# Altium PCB PCB.PcbDoc (part 2 of 2)
Units mil, origin at the board's own origin, x right, y up, seen from the top; angles counter-clockwise.
Board outline 3420 x 2445 mil, 2 copper layers (Top Layer, Bottom Layer); 53 components, 88 nets, 358 pads, 317 vias.
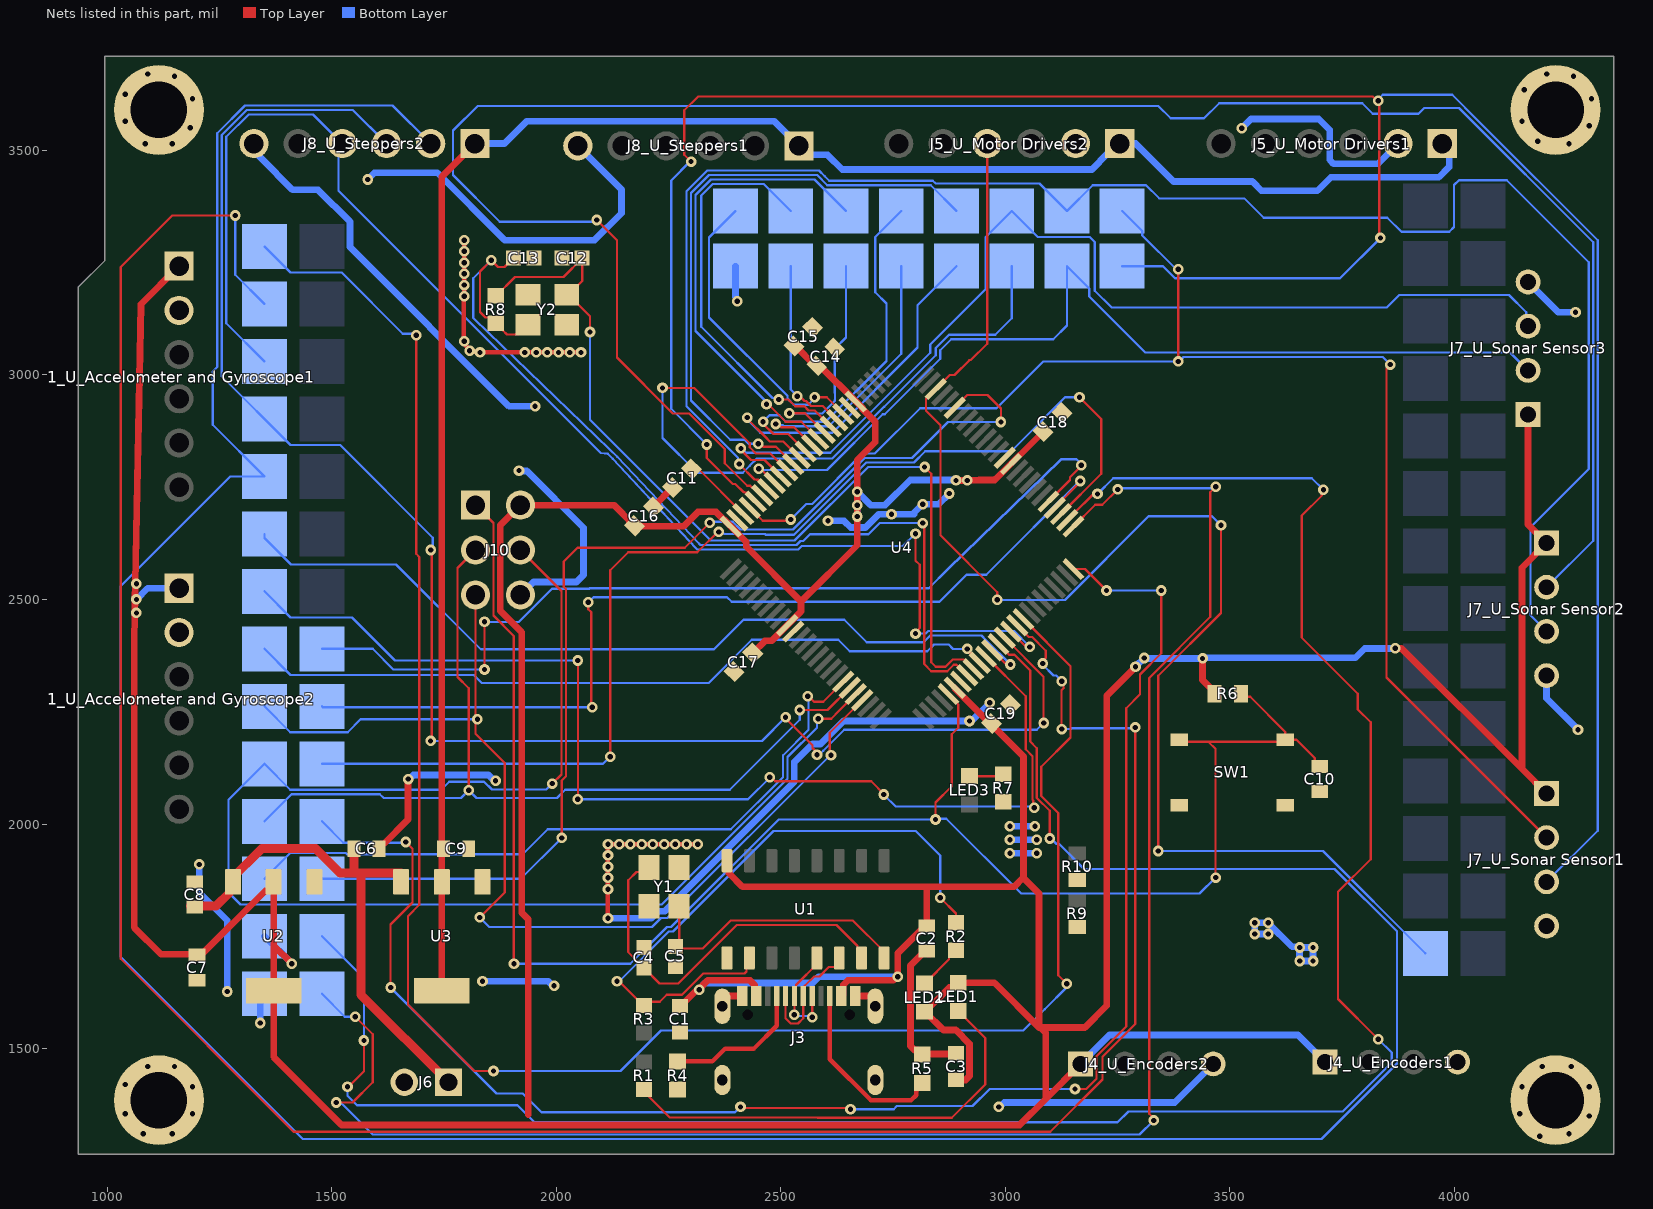
[diagram p2: the nets of this part, all layers, seen from the top]

## Via types
v1: diameter 23.62, hole 11.81, Top Layer to Bottom Layer, tented both sides, 317 vias

## Nets (pads, with @x,y where several pads share a name; then routed paths per layer and width w, separated by ;. In a path a pad name is that pad's centre, name@x,y a point inside that pad or via, vN(x,y) a via of type N, cw(c..) or ccw(c..) an arc to the next point about the centre after c; other vN are vias at no path point) (continued)
35P: pad.2@1478,2390 U4.55 | length 2081.6
  Top Layer w5: v1(1840,2344) v1(1840,2450) ; U4.55@3095.71,2718 3143.7,2765.99 3143.7,2772 3168.97,2797.27 v1(3168.97,2798.97)
  Bottom Layer w5: pad.2@1478,2390 1591,2390 1637,2344 v1(1840,2344) ; v1(1840,2450) 1916.54,2450 1990.54,2524 2073.41,2524 2074.41,2525 2829.03,2525 2872,2567.97 3122.55,2810.59 3124,2812 3158,2812 3168.97,2801.03 v1(3168.97,2798.97)
36P: pad.2@1478,2262 U4.54 | length 2138.4
  Top Layer w5: v1(2071.35,2493.65) 2071.35,2478 2077.5,2471.84 2077.5,2262.5 v1(2080,2260) ; U4.54@3109.63,2704.08 3166.27,2760.72 v1(3166.27,2763.73)
  Bottom Layer w5: pad.2@1478,2262 1480,2260 v1(2080,2260) ; v1(2071.35,2493.65) 2082.69,2505 2380.16,2505 2390.34,2494.82 2853.35,2494.82 2913.35,2554.82 2957.36,2554.82 v1(3166.27,2763.73)
37P: pad.2@1478,2134 U4.53 | length 2590.5
  Top Layer w5: v1(2120,2150) 2120,2565 2160,2605 2314,2605 2359.39,2650.39 v1(2361.92,2650.39) ; U4.53@3123.55,2690.16 3213.36,2779.97 3213.36,2901.64 v1(3165,2950)
  Bottom Layer w5: pad.2@1478,2134 2104,2134 v1(2120,2150) ; v1(2361.92,2650.39) 2365.48,2646.83 2373.02,2646.83 2374.16,2645.69 2464.81,2645.69 2466.5,2644 2529.27,2644 2690.27,2805 2796.62,2805 2821.62,2830 3012.69,2830 3132.69,2950 v1(3165,2950)
38P: pad.2@1478,2006 U4.50 | length 3642.2
  Top Layer w5: v1(1631,1636) 1631,1776 1680,1825 1680,1945 v1(1665,1960) ; v1(2410,1370) 2412.5,1367.5 2652.5,1367.5 v1(2655,1365) ; U4.50@3151.39,2567.67 3177.33,2567.67 v1(3225,2520) ; v1(3155,1410) 3180,1410 3203,1433 3203,1483 3269,1549 3269,2258 3299.78,2288.78 3299.78,2333.06 3347,2380.28 v1(3347,2520)
  Bottom Layer w5: pad.2@1478,2006 1525.5,1958.5 1663.5,1958.5 v1(1665,1960) ; v1(1631,1636) 1867,1400 1925,1400 1967.05,1357.95 2397.95,1357.95 v1(2410,1370) ; v1(2655,1365) 2751.21,1365 2758.1,1371.9 2926.9,1371.9 2965,1410 v1(3155,1410) ; v1(3225,2520) v1(3347,2520)
39P: pad.2@1478,1878 U4.70 | length 2471.3
  Top Layer w5: v1(2012,1969) 2012,2096.86 2021.31,2106.17 2021.31,2522.83 2016.69,2527.45 2016.69,2584.69 2047,2615 2286.06,2615 v1(2341.68,2670.63) ; U4.70@2886.92,2926.8 2915.13,2955 2960,2955 2990,2925 v1(2990,2895) 2989.74,2895.26 v1@2989.74,2899.55
  Bottom Layer w5: pad.2@1478,1878 1921,1878 v1(2012,1969) ; v1(2341.68,2670.63) 2344.18,2673.12 2392.69,2673.12 2410.12,2655.69 2526.82,2655.69 2686.13,2815 2792,2815 2872,2895 v1(2990,2895)
40P: pad.2@1478,1750 U4.52 | length 4873.3
  Top Layer w5: v1(1535,1415) 1537,1415 1571.57,1449.57 v1(1571.57,1518) ; U4.52@3137.47,2676.25 3137.47,2677.47 3150,2690 3151.23,2690 3196.23,2735 v1(3205,2735) ; v1@3708,2743.93 3704.44,2740.36 3704.44,2731.17 3660,2686.73 3660,2415 3784.69,2290.31 3784.69,2255.19 3813.33,2226.55 3813.33,1921.64 3740.69,1849 3740.69,1610.31 v1(3830,1521)
  Bottom Layer w5: pad.2@1478,1750 1571.57,1656.43 v1(1571.57,1518) ; v1(1535,1415) 1535,1395 1556.37,1373.63 1913.71,1373.63 1951.65,1335.69 3249.51,1335.69 3273.82,1360 3750.86,1360 3860,1469.14 3860,1491 v1(3830,1521) ; v1(3205,2735) 3240,2770 3682.31,2770 v1(3708,2744.31)
41P: pad.2@1478,1622 U4.51 | length 4048.8
  Top Layer w5: v1(1510,1380) 1546,1380 1591,1425 1591,1532 v1(1552,1571) ; U4.51@3151.39,2662.33 3199.78,2710.71 3215.71,2710.71 v1(3250,2745) ; v1(3330,1340) 3330,1345.04 3320,1355.04 3320,2325 3456.28,2461.28 3456.28,2738.97 v1(3468,2750.69)
  Bottom Layer w5: pad.2@1478,1622 1529,1571 v1(1552,1571) ; v1(1510,1380) 1513.56,1376.44 1523.56,1376.44 1591.36,1308.64 3298.64,1308.64 v1(3330,1340) ; v1(3250,2745) 3252.84,2747.84 3465.16,2747.84 v1(3468,2750.69)
42P: pad.2@1350,3286 U4.42 | length 4443
  Top Layer w5: v1(1688.18,3088.3) 1688.18,2601.59 1695,2594.77 1695,1820 1670,1795 1670,1597 1817,1450 v1(1860,1450) ; U4.42@3040.04,2456.32 3145,2351.35 3145,2192.76 3080,2127.76 3080,2062.28 3117.81,2024.47 3117.81,1663.18 v1(3136.84,1644.15)
  Bottom Layer w5: pad.2@1350,3286 1408,3228 1522,3228 1658.14,3091.86 1684.61,3091.86 v1(1688.18,3088.3) ; v1(1860,1450) 2142.93,1450 2232.93,1540 3039.81,1540 3087.58,1587.77 ; 3087.58,1587.78 3136.84,1637.04 v1(3136.84,1644.15)
43P: pad.2@1350,3158 U4.41 | length 5729.2
  Top Layer w5: v1(1285,3355) 1145,3355 1030,3240 1030,1700 1415,1315 3100,1315 3216,1431 3216,1481.86 3289,1554.86 v1(3289,2215) ; U4.41@3026.12,2442.4 3052.17,2416.34 3059.51,2416.34 3090,2385.86 3090,2369.4 3082.89,2362.29 v1(3082.89,2357.25) ; v1(3125.69,2211.38) 3125,2212.07 3125,2298.07 3129.74,2302.8 3129.25,2303.29 3129.25,2314.55 v1(3125.69,2318.12)
  Bottom Layer w5: v1(1285,3355) 1285,3223 pad.2@1350,3158 ; v1(3082.89,2357.25) 3082.89,2354.65 3107.13,2330.41 3113.4,2330.41 v1(3125.69,2318.12) ; v1(3125.69,2211.38) 3145.69,2211.38 3147.5,2213.19 3287.19,2213.19 v1(3289,2215)
44P: J8_U_Steppers2.4 pad.2@1350,3030 U4.40 | length 3133.8
  Top Layer w5: v1(2799.69,2424) 2799.69,2427.03 2809,2436.34 2809,2577 2799.69,2586.31 v1(2799.69,2646.27) ; U4.40@3012.2,2428.48 3043.54,2397.14 3051.41,2397.14 v1(3054.27,2394.27)
  Bottom Layer w5: pad.2@1350,3030 1265,3115 1265,3530 1315,3580 1458.42,3580 1515.16,3523.27 J8_U_Steppers2.4@1519.02,3523.27 ; J8_U_Steppers2.4@1523.43,3515 1515.23,3506.81 1515.23,3409.77 2098.88,2826.12 2114.44,2824.65 2125.75,2813.34 2310.99,2614.01 2312.46,2612.54 2313.92,2611.08 2538.78,2611.08 2546.7,2619 2771.69,2619 2798.96,2646.27 v1(2799.69,2646.27) ; v1(2799.69,2424) 2822.66,2424 2828.34,2429.68 3019.39,2429.68 3054.27,2394.79 v1(3054.27,2394.27)
45P: J8_U_Steppers2.3 pad.2@1350,2902 U4.39 | length 3722.5
  Top Layer w5: v1(1720,2185) 1722.5,2187.5 1722.5,2608.19 v1(1720.69,2610) ; v1(2510.5,2237.5) 2510.5,2235.29 2570.64,2175.15 2570.64,2169.09 2580.32,2159.42 v1(2580.32,2153.98) ; U4.39@2998.28,2414.56 3085,2327.84 v1(3085,2225)
  Bottom Layer w5: J8_U_Steppers2.3@1621.85,3515 1546.85,3590 1310.86,3590 1255,3534.14 1255,2997 1408,2844 1518.61,2844 1725,2637.61 1725,2628.3 1724.77,2628.08 1724.77,2614.09 v1(1720.69,2610) ; v1@1715,2185 v1(1720,2185) 2458,2185 v1(2510.5,2237.5) ; v1(2580.32,2153.98) 2584.98,2153.98 2594.29,2163.29 2594.5,2163.29 2641.21,2210 3070,2210 v1(3085,2225)
46P: J8_U_Steppers2.2 pad.2@1350,2774 U4.38 | length 7319.1
  Top Layer w5: U4.38@2984.36,2400.64 3008.16,2376.84 3020.17,2376.84 3032.95,2364.06 3055,2342.01 3055,2183.52 3070,2168.52 3070,2058.14 3098.5,2029.64 v1(3098.5,1967.66)
  Bottom Layer w5: J8_U_Steppers2.2@1720.28,3515 1635.28,3600 1306.72,3600 1245,3538.28 1245,3017.71 1235,3007.71 1235,2889 pad.2@1350,2774 1274,2774 1030,2530 1030,1704 1435.36,1298.64 3703.64,1298.64 3871.95,1466.95 3871.95,1760.91 3732.86,1900 3175,1900 3119.78,1955.22 3113.82,1955.22 3101.38,1967.66 v1(3098.5,1967.66)
47P: pad.2@1350,2646 U4.37 | length 1907.7
  Top Layer w5: U4.37@2970.44,2386.72 2999.53,2357.63 3008.53,2357.63 v1(3011.13,2355.03)
  Bottom Layer w5: pad.2@1350,2646 1350,2637 1409,2578 1643.01,2578 1832.01,2389 2351,2389 2416.82,2454.82 2641.24,2454.82 2691.37,2404.69 2817.49,2404.69 2832.48,2419.68 2946.49,2419.68 2956.85,2409.31 v1(3011.13,2355.03)
48P: pad.2@1350,2518 U4.36 | length 2519.6
  Top Layer w5: v1(2048,2055) v1(2048,2364) ; v1(2475,2104.31) 2477.93,2104.31 2487.24,2095 2701,2095 2728.97,2067.03 v1(2728.97,2065.69) ; U4.36@2956.52,2372.8 3045,2284.32 3045,2166.34 3060,2151.34 3060,2054 3062.17,2051.83 3062.17,2038.66 v1(3064.31,2036.52)
  Bottom Layer w5: pad.2@1350,2518 1408,2460 1545,2460 1641,2364 v1(2048,2364) ; v1(2048,2055) 2427,2055 2475,2103 v1(2475,2104.31) ; v1(2728.97,2065.69) 2731.5,2065.69 2731.5,2063.16 2755.86,2038.8 3062.03,2038.8 v1(3064.31,2036.52)
49P: pad.2@1350,2390 U4.35 | length 1699.5
  Top Layer w5: v1(2914.66,2389.84) 2914.66,2388.33 2942.6,2360.39 U4.35@2942.6,2358.88
  Bottom Layer w5: pad.2@1350,2390 1408,2332 1816.19,2332 1834.5,2313.69 2338.69,2313.69 2435,2410 2628.03,2410 2653.34,2384.69 2825.78,2384.69 2840.76,2399.68 2873.54,2399.68 2883.38,2389.84 v1(2914.66,2389.84)
50P: J10.5 pad.2@1350,2262 U4.22 | length 2384.9
  Top Layer w5: J10.5@1820,2510 v1@1820,2233 ; v1(1824.31,2233) v1@1820,2233 ; v1(1829.31,1792) 1885,1847.69 1885,2136 1820,2201 v1@1820,2233 ; v1(2611.61,2153.09) 2609,2155.7 2609,2203.45 U4.22@2680.92,2275.37
  Bottom Layer w5: pad.2@1350,2262 1407.5,2204.5 1535.5,2204.5 1564,2233 v1(1824.31,2233) ; v1(1829.31,1792) 1850.62,1770.69 2213.26,1770.69 2233.07,1790.5 2247.22,1790.5 2609.8,2153.09 v1(2611.61,2153.09)
52P: J10.3 pad.2@1350,2006 U4.20 | length 2022.6
  Top Layer w5: v1(1805,2075) 1805,2302.54 1780.02,2327.52 1780.02,2570.02 J10.3@1820,2610 ; v1(2541.92,2253.78) 2603.65,2253.78 U4.20@2653.08,2303.2
  Bottom Layer w5: pad.2@1350,2006 1410.5,2066.5 1607.12,2066.5 1615.95,2057.68 1787.68,2057.68 v1(1805,2075) 1822.32,2057.68 2001.42,2057.68 2019.74,2076 2386,2076 2541.92,2231.92 v1(2541.92,2253.78)
53P: pad.2@1350,1878 U4.19 | length 1558.2
  Top Layer w5: v1(2559.75,2284.75) 2561.63,2284.75 2573.99,2272.39 2594.42,2272.39 U4.19@2639.16,2317.12
  Bottom Layer w5: pad.2@1350,1878 1407.5,1935.5 1531.11,1935.5 1534.03,1932.58 1925.16,1932.58 1980.9,1988.31 2388.46,1988.31 2505,2104.85 2505,2153.28 2561.23,2209.51 2561.23,2283.27 v1(2559.75,2284.75)
+5V: "J1_U_Accelometer and Gyroscope1.1" "J1_U_Accelometer and Gyroscope2.1" "J7_U_Sonar Sensor1.1" "J7_U_Sonar Sensor2.1" "J7_U_Sonar Sensor3.1" C1.1 C2.2 C3.1 C7.2 C14.2 C15.1 C16.1 C17.1 C18.1 C19.1 J3.A4_B9 J3.B4_A9 J4_U_Encoders1.1 J4_U_Encoders2.1 J10.2 LED1.2 LED2.2 pad.2@1350,1750 R6.2 U1.16 U2.2 U2.4 U4.10 U4.31 U4.61 U4.80 U4.100 | length 14941.5
  Top Layer w15: 1160,3242.13 1075.17,3157.3 1062.67,2535.05 1061.96,2500.06 1061.36,2470.07 1060,2402.3 1060,1770 1120.28,1709.72 1210.28,1709.72 1352.01,1851.46 1362.84,1851.46 U2.2@1370.55,1859.17 ; U2.2@1370.55,1870 U2.2@1370.55,1859.17 ; v1(1411,1689) 1370.55,1729.45 ; 1937.59,1352.41 1937.59,1787.66 1922.75,1802.5 1922.75,2427.25 1875,2475 1875,2665 J10.2@1920,2710 2128.24,2710 C16.1@2169.12,2669.12 ; C16.1@2162.84,2670.51 2170.51,2662.84 2175.4,2667.73 2182.18,2667.73 2187.06,2662.84 2282.9,2662.84 2315.06,2695 2355.93,2695 U4.100@2388.61,2662.33 2422.8,2628.13 2422.8,2617.8 2545,2495.61 ; C1.1@2275,1594.53 2276.97,1594.53 2311.64,1629.2 2316.51,1629.2 v1(2318.16,1630.85) ; v1@2315.4,1630.31 2337.04,1651.95 2356.19,1651.95 2431,1651.95 2441.2,1641.75 2441.2,1621.32 J3.A4_B9@2445.51,1617.01 ; U1.16@2380,1918.27 2384.7,1913.56 2384.7,1890.3 2415,1860 2825,1860 ; C17.1@2437.34,2380.88 2464.39,2407.92 2479.41,2407.92 U4.10@2513.88,2442.4 2545,2473.52 2545,2495.61 ; C15.1@2529.12,3064.12 2532.73,3064.12 2576.62,3020.23 C14.2@2580.23,3020.23 2587.48,3020.23 U4.80@2667,2940.71 2681.67,2926.04 2681.67,2924.23 2710,2895.9 2710,2850 2669.85,2809.85 2669.85,2740.15 v1(2670,2740) v1(2670,2710) v1(2670,2684.66) 2670,2620.61 2545,2495.61 ; J3.B4_A9@2634.49,1617.01 2638.8,1621.32 2638.8,1641.75 2649,1651.95 2749.62,1651.95 2757.67,1660 v1(2760,1660) 2760,1712.09 2820.87,1772.95 C2.2@2825,1772.95 2825,1860 ; LED2.2@2820,1582.01 LED2.2@2820.98,1582.01 ; C2.2@2834.3,1778.7 2834.88,1778.7 2836,1779.82 C2.2@2836,1780.4 ; U4.31@2886.92,2303.2 3040,2150.13 3040,1881.34 ; C3.1@2890,1430.47 2890.47,1430 2911.43,1430 2920.22,1438.79 2920.22,1510.45 2889.55,1541.12 2861.87,1541.12 LED2.2@2820.98,1582.01 ; v1(2890,2765) v1(2915,2765) 2915.5,2765.5 2940.5,2765.5 2941,2766 2976,2766 2985.39,2775.39 2986.06,2775.39 3084.12,2873.44 C18.1@3084.12,2874.12 ; J4_U_Encoders2.1@3167.36,1465.67 3090,1388.31 ; v1(3289.7,2350.3) 3289.7,2349.7 3225.38,2285.38 3225.38,1595.38 3176.75,1546.75 3078.25,1546.75 ; v1(3439,2368.69) 3439,2320.41 3465.47,2293.94 R6.2@3465.47,2290 ; v1(3868,2391) 3882.11,2391 4150,2123.11 ; 4163.66,2911.57 4163.66,2667.01 4205,2625.67 4150,2570.67 4150,2123.11 ; 4205,2068.11 4150,2123.11 ; 1370.55,1729.45 U2.4@1370.55,1628.94 1370.55,1481.53 1522.08,1330 3031.69,1330 3090,1388.31 ; 1370.55,1729.45 U2.2@1370.55,1859.17 ; LED2.2@2820.98,1582.01 2875.26,1636.28 2884.78,1636.28 LED1.2@2895,1646.5 2975.26,1646.5 3075,1546.75 ; 2825,1860 3018.66,1860 3040,1881.34 ; 3040,1881.34 3040,1880 3075,1845 3075,1546.75 ; 3075,1546.75 3078.25,1546.75 ; 3078.25,1546.75 3090,1535 3090,1388.31
  Bottom Layer w15: v1(1065,2500) 1090,2525 1160,2525 ; pad.2@1350,1750 v1(1411,1689) ; v1(2318.16,1630.85) 2318.16,1633.07 2331.13,1646.04 2571.04,1646.04 2585,1660 v1(2760,1660) ; v1(2670,2684.66) v1(2670,2710) v1(2670,2740) 2700,2710 2732,2710 2788,2766 2890,2766 v1(2890,2765) v1(2915,2765) ; J4_U_Encoders2.1@3167.36,1465.67 3231.69,1530 3651.57,1530 J4_U_Encoders1.1@3711.57,1470 ; v1(3289.7,2350.3) v1(3309.05,2369.64) ; v1@3310,2368.69 v1(3439,2368.69) ; v1@3439,2370 3779,2370 3800,2391 v1(3868,2391)
  other v1: 1065,2470 1065,2535
+5V_M: "J5_U_Motor Drivers1.1" "J5_U_Motor Drivers2.1" C9.2 J8_U_Steppers1.1 J8_U_Steppers2.1 U3.2 U3.4 | length 4278.8
  Top Layer w15: U3.4@1745,1648.94 1745,1891.06 1745,3441.3 J8_U_Steppers2.1@1818.7,3515
  Bottom Layer w15: J8_U_Steppers2.1@1818.7,3515 1884.62,3515 1934.62,3565 2485,3565 2560,3490 2604.09,3490 2636.59,3457.5 3192.57,3457.5 3227.59,3492.52 3232.05,3492.52 3254.53,3515 3290,3515 3374.47,3430.53 3549.82,3430.53 3570.36,3410 3694.51,3410 3724.53,3440.02 3965.02,3440.02 3987.93,3462.93 3987.93,3499.51 3972.44,3515
+12V: C6.2 C8.2 J6.1 U2.3 U3.3 | length 1161.1
  Top Layer w20: C8.2@1185,1817.05 1242.05,1817.05 1272.28,1847.28 1272.28,1873.11 1344.17,1945 1463.83,1945 1517.76,1891.06 1550,1891.06 ; C6.2@1549.09,1945 1550,1944.09 1550,1891.06 ; U3.3@1654.45,1891.06 1565,1891.06 ; J6.1@1760,1425 1565,1620 1565,1891.06 ; 1550,1891.06 1565,1891.06
A0: "J7_U_Sonar Sensor1.2" pad.2@3260,3365 U4.97 | length 3190.8
  Top Layer w5: U4.97@2430.37,2704.08 2459.45,2675 2518.82,2675 v1(2521.91,2678.09) ; v1(3385,3030) v1(3385,3235) ; v1(3857,3023) 3848.69,3014.69 3848.69,2326 4205,1969.69
  Bottom Layer w5: v1(2521.91,2678.09) 2556.59,2712.77 2569.76,2712.77 2681.99,2825 2709.31,2825 2810.24,2925.93 2979.93,2925.93 3084,3030 3386.65,3030 3396.65,3040 3840,3040 v1(3857,3023) ; pad.2@3260,3365 3304.81,3320.19 3304.81,3310.43 3380.24,3235 v1(3385,3235)
A1: "J7_U_Sonar Sensor1.3" pad.2@3260,3242 U4.96 | length 5580.8
  Top Layer w5: v1(2300,3475) 2285,3490 2285,3589 2316,3620 3817.76,3620 3827.07,3610.69 v1(3830,3610.69) ; v1(2335,2845) 2335,2815 2392.92,2757.08 2398.59,2757.08 2416.52,2739.14 2417.8,2739.14 2418.88,2738.06 2422.95,2738.06 2443.01,2718 U4.96@2444.29,2718 ; v1@3832.5,3610.69 3832.5,3307.5 v1(3835,3305)
  Bottom Layer w5: v1(2300,3475) 2297.69,3475 2255.69,3433 2255.69,2924.31 v1(2335,2845) ; pad.2@3260,3242 3350.69,3242 3377.69,3215 3745,3215 v1(3835,3305) ; v1(3830,3610.69) 3830,3615.73 3832.3,3615.73 3840.21,3623.64 3994.64,3623.64 4050,3568.29 4318.68,3299.6 4318.68,1984.94 4205,1871.26
A2: "J7_U_Sonar Sensor2.2" U4.95 | length 4794.3
  Top Layer w5: v1(2090,3345) 2135,3300 2135,3038.73 2259.46,2914.27 2295.73,2914.27 2375,2835 2375,2803.06 2425,2753.06 2431.72,2753.06 2434.78,2750 2438.85,2750 2456.92,2731.92 U4.95@2458.2,2731.92
  Bottom Layer w5: v1(2090,3345) 2086.44,3341.44 2078.09,3341.44 2077.76,3341.1 1873.9,3341.1 1770,3445 1770,3544 1824.75,3598.75 3340.49,3598.75 3367.86,3571.38 3442.18,3571.38 3475.81,3605 3794.24,3605 3817.86,3581.38 3919.52,3581.38 3932.45,3594.31 4009.83,3594.31 4308.68,3295.46 4308.68,2630.93 4205,2527.24
A3: "J7_U_Sonar Sensor2.3" pad.2@3137,3365 U4.94 | length 3944.8
  Top Layer w5: v1(2407.4,2801.51) 2407.4,2800.8 2441.22,2766.98 2445.64,2766.98 2446.28,2766.34 2450.35,2766.34 2470.84,2745.84 U4.94@2472.12,2745.84
  Bottom Layer w5: v1(2407.4,2801.51) 2404.29,2804.61 2404.29,2815.71 2290,2930 2290,3409.03 2335.97,3455 2367.57,3455 2585.03,3455 2597.53,3442.5 2607.53,3432.5 2838.36,3432.5 2844.86,3426 3076,3426 pad.2@3137,3365 3194.5,3422.5 3313.11,3422.5 3342.57,3393.03 3531.97,3393.03 3575,3350 3850.39,3350 3881.89,3318.5 3988.11,3318.5 3999,3329.39 3999,3422.61 4009.89,3433.5 4116.11,3433.5 4298.68,3250.92 4298.68,2790.68 4169,2661 4169,2464.82 4205,2428.82
A4: "J7_U_Sonar Sensor3.2" pad.2@3137,3242 U4.93 | length 2145
  Top Layer w5: v1(2450.89,2791.01) 2454.78,2791.01 U4.93@2486.04,2759.76
  Bottom Layer w5: v1(2450.89,2791.01) 2453.71,2788.19 2602.75,2788.19 2726.68,2912.11 2731.08,2912.11 2855,3036.04 2855,3055 2879.31,3079.31 3106.31,3079.31 3137,3110 pad.2@3137,3242 3186.56,3192.44 3186.56,3174.5 3311.06,3050 4123.66,3050 4163.66,3010
A5: "J7_U_Sonar Sensor3.3" pad.2@3014,3365 U4.92 | length 2383.8
  Top Layer w5: v1(2411.04,2836.27) 2411.04,2832.75 2433.47,2810.32 2463.33,2810.32 U4.92@2499.96,2773.68
  Bottom Layer w5: v1(2411.04,2836.27) 2413.51,2836.27 2423.1,2826.67 2609.75,2826.67 2832.59,3049.51 2832.59,3067.59 2864.31,3099.31 2956,3191 2956,3307 pad.2@3014,3365 3072,3307 3188,3307 3199,3296 3199,3187.5 3236.5,3150 3849,3150 3877,3178 4121,3178 4159.52,3139.48 4159.52,3112.57 4163.66,3108.42
A6: pad.2@3014,3242 U4.91 | length 1548.4
  Top Layer w5: v1(2236.38,2971) 2307.24,2971 2406.27,2871.97 2430.43,2847.81 2430.43,2838.77 2444.24,2824.96 2476.52,2824.96 U4.91@2513.88,2787.6
  Bottom Layer w5: v1(2236.38,2971) 2236.38,2859.25 2313.62,2782 2415.2,2782 2430.89,2797.69 2430.89,2798.31 2446.57,2814 2614.42,2814 2729.41,2928.99 2730.01,2928.99 2845,3043.97 2845,3060 2874.31,3089.31 2977.31,3089.31 3014,3126 pad.2@3014,3242
A7: pad.2@2891,3365 U4.90 | length 1389
  Top Layer w5: v1(2449.74,2846.77) 2453.43,2846.77 2460.2,2840 2489.32,2840 U4.90@2527.8,2801.52
  Bottom Layer w5: v1(2449.74,2846.77) 2427.85,2846.77 2419.04,2855.58 2387.42,2855.58 2300,2943 2300,3404.89 2340.11,3445 2371.72,3445 2580.89,3445 2603.39,3422.5 2833.5,3422.5 pad.2@2891,3365
A8: pad.2@2891,3242 U4.89 | length 846.9
  Top Layer w5: v1(2425,2905) 2425,2902.36 2465.55,2861.81 2475.49,2851.87 2505.29,2851.87 U4.89@2541.72,2815.44
  Bottom Layer w5: v1(2425,2905) 2425,2900.54 2454.26,2871.27 2614.76,2871.27 2804.26,3060.77 2804.26,3155.26 pad.2@2891,3242
A9: pad.2@2768,3365 U4.88 | length 836.2
  Top Layer w5: v1(2460.38,2895.62) 2460.38,2891.45 2483.44,2868.4 2516.6,2868.4 U4.88@2555.64,2829.36
  Bottom Layer w5: v1(2460.38,2895.62) 2474.66,2909.9 2496.56,2909.9 2510.99,2895.46 2599.46,2895.46 2735,3031 2735,3159 2710,3184 2710,3307 pad.2@2768,3365
A10: pad.2@2768,3242 U4.87 | length 644.1
  Top Layer w5: v1(2488.56,2890.58) 2493.6,2890.58 2500.78,2883.4 2529.44,2883.4 U4.87@2569.56,2843.28
  Bottom Layer w5: v1(2488.56,2890.58) 2490.7,2888.44 2503.87,2888.44 2506.85,2885.46 2606.58,2885.46 2768,3046.88 pad.2@2768,3242
A11: pad.2@2645,3365 U4.86 | length 1057.3
  Top Layer w5: v1(2467.96,2934.73) 2471.72,2934.73 2510.99,2895.46 2545.22,2895.46 U4.86@2583.48,2857.2
  Bottom Layer w5: v1(2467.96,2934.73) 2467.96,2939.74 2310,3097.69 2310,3400.75 2344.25,3435 2375.86,3435 2575,3435 pad.2@2645,3365
A12: pad.2@2645,3242 U4.85 | length 520
  Top Layer w5: v1(2518.99,2914.77) 2553.51,2914.77 2568.17,2900.11 2568.4,2900.11 U4.85@2597.4,2871.12
  Bottom Layer w5: v1(2518.99,2914.77) 2519.76,2914 2592,2914 2620,2942 2620,2943.36 2620.26,2943.62 2620.26,2959.61 2620,2959.87 2620,3058 2645,3083 pad.2@2645,3242
A13: pad.2@2522,3365 U4.84 | length 907.6
  Top Layer w5: v1(2495.31,2945.31) 2516.67,2945.31 2531.98,2930 2552.42,2930 2561.73,2920.69 2575.66,2920.69 U4.84@2611.32,2885.04
  Bottom Layer w5: v1(2495.31,2945.31) 2491.96,2948.65 2481.35,2948.65 2322.62,3107.38 2322.62,3399.23 2348.39,3425 2462,3425 pad.2@2522,3365
A14: pad.2@2522,3242 U4.83 | length 406.3
  Top Layer w5: v1(2536.69,2952.6) 2541.73,2952.6 2552.36,2941.97 2555.72,2941.97 2567,2930.69 2593.51,2930.69 U4.83@2625.24,2898.96
  Bottom Layer w5: pad.2@2522,3242 2522,2967.29 v1(2536.69,2952.6)
A15: pad.2@2399,3365 U4.82 | length 668.6
  Top Layer w5: v1(2575,2950) 2602.03,2950 U4.82@2639.16,2912.88
  Bottom Layer w5: pad.2@2399,3365 2340,3306 2340,3127.93 2514.62,2953.31 2514.62,2947.36 2528.69,2933.29 2560.87,2933.29 2575,2947.42 v1(2575,2950)
D+: J3.A6 J3.B6 U1.5 | length 242.7
  Top Layer w5: v1(2530,1575) 2530.08,1575.08 2530.08,1616.93 2533.56,1620.41 2533.56,1641.71 2581.85,1690 2585,1690 2580,1695 U1.5@2580,1701.73 ; J3.B6@2569.53,1617.01 2569.76,1616.77 2569.76,1570.24 v1(2570,1570)
  Bottom Layer w5: v1(2530,1575) 2532.5,1572.5 2567.5,1572.5 v1(2570,1570)
D-: J3.A7 J3.B7 U1.6 | length 281
  Top Layer w5: J3.B7@2510.47,1617.01 2510.47,1567.22 2522,1555.69 2538,1555.69 2549.84,1567.53 J3.A7@2549.84,1617.01 2553.25,1620.41 2553.25,1639.68 2574.24,1660.67 2585.75,1660.67 2606.58,1681.5 2620.34,1681.5 2630,1691.16 U1.6@2630,1701.73
GND: "J1_U_Accelometer and Gyroscope1.2" "J1_U_Accelometer and Gyroscope2.2" "J5_U_Motor Drivers1.2" "J5_U_Motor Drivers2.2" "J7_U_Sonar Sensor1.4" "J7_U_Sonar Sensor2.4" "J7_U_Sonar Sensor3.4" C1.2 C2.1 C3.2 C4.1 C5.1 C6.1 C7.1 C8.1 C9.1 C10.1 C11.2 C12.1 C13.1 C14.1 C15.2 C16.2 C17.2 C18.2 C19.2 J3.A1_B12 J3.B1_A12 J3.S1 J3.S2 J3.S3 J3.S4 J4_U_Encoders1.4 J4_U_Encoders2.4 J6.2 J8_U_Steppers1.6 J8_U_Steppers2.6 J10.6 pad.2@1350,1622 pad.2@2399,3242 pad.3 pad.4 pad.5 pad.6 R4.1 R5.2 R7.1 R9.1 R10.1 SW1.1 SW1.2 U1.1 U2.1 U3.1 U4.11 U4.32 U4.62 U4.81 U4.99 Y1.2 Y1.4 Y2.2 Y2.4 | length 9759.3
  Top Layer w10: v1(1795,3300) v1(1795,3275) v1(1795,3250) v1(1795,3225) v1(1795,3200) v1(1795,3175) 1793.36,3173.36 1793.36,3076.64 1796.65,3073.35 1796.65,3067.25 1799.3,3064.6 1799.3,3063.82 1806.88,3056.24 v1(1806.88,3053.91) 1809.21,3053.91 1811.47,3051.65 1828.35,3051.65 v1(1830,3050) v1(1930,3050) v1(1955,3050) v1(1980,3050) v1(2005,3050) v1(2030,3050) v1(2055,3050) ; v1(2115,1790) v1(2115,1855) v1(2115,1880) v1(2115,1905) v1(2115,1930) v1(2115,1955) v1(2140,1955) v1(2165,1955) v1(2190,1955) v1(2215,1955) v1(2240,1955) v1(2265,1955) v1(2290,1955) v1(2315,1955)
  Top Layer w15: v1(1040,1355) 1040,1350 v1(1080,1310) ; v1(1040,1420) 1075,1385 pad.4@1115,1385 1090,1410 v1(1090,1460) v1(1150,1460) 1190,1420 v1(1190,1415) v1(1190,1355) v1(1145,1310) v1(1080,1310) ; pad.4@1080,1302.33 v1(1080,1310) ; v1(1090,3670) 1085,3670 v1(1040,3625) 1040,3560 v1(1085,3515) v1(1145,3515) 1150,3515 v1(1185,3550) 1190,3555 v1(1190,3615) 1190,3625 v1(1150,3665) 1115,3630 pad.3@1115,3590 ; C6.1@1605.96,1945.96 1605.96,1950.1 1611.87,1956 1616,1956 1670,2010 v1(1670,2100) ; C16.2@2215.88,2705.88 C11.2@2259.12,2749.12 ; J3.S1@2369.72,1594.17 2369.72,1607.57 2379.16,1617.01 J3.A1_B12@2414.02,1617.01 ; J3.B1_A12@2665.98,1617.01 2700.84,1617.01 2710.28,1607.57 J3.S2@2710.28,1594.17 ; C2.1@2820,1715.28 2824.9,1715.28 C2.1@2830,1710.18 ; C2.1@2825,1717.05 2820.87,1717.05 2788.8,1684.98 2788.8,1505.5 2797.59,1496.71 2804.78,1496.71 R5.2@2815,1486.5 2816.52,1488.01 2888.48,1488.01 C3.2@2890,1489.53 ; v1(4145,1355) 4150,1355 4190,1315 v1(4190,1305) 4200,1315 4250,1315 v1(4255,1310) 4295,1350 v1(4300,1350) v1(4300,1415) 4260,1455 v1(4260,1460) v1(4195,1460) ; pad.5@4145,1415 v1(4150,1415) ; v1(4205,3670) 4190,3670 v1(4155,3635) 4150,3630 v1(4150,3565) 4150,3555 v1(4185,3520) 4190,3515 v1(4255,3515) 4295,3555 v1(4300,3555) 4305,3560 v1(4305,3615) 4265,3655 v1(4265,3665) ; pad.6@4225,3590 4225,3625 pad.6@4260,3660
  Bottom Layer w15: v1(1205,1910) 1205,1847.72 1267,1785.72 v1(1267,1627) ; J8_U_Steppers2.6@1326.57,3515 1326.57,3498.78 1342.16,3483.19 1342.16,3482.84 1412.99,3412.01 1469.67,3412.01 1540.5,3341.18 1540.5,3284.5 1895,2930 v1(1952.69,2930) ; v1(1341,1557) 1341,1613 pad.2@1350,1622 ; v1(1580,3435) 1595,3450 1735,3450 1885,3300 2085,3300 2145,3360 2145,3412.87 J8_U_Steppers1.6@2047.87,3510 ; v1(1670,2100) 1672.33,2100 1681.64,2109.31 1849.08,2109.31 1862.39,2096 v1(1864.72,2096) ; v1(1835.55,1650) 1981.76,1650 1992.67,1639.09 v1@1995,1639.09 ; v1(1916.94,2786.94) 1918.14,2785.74 1934.26,2785.74 2060.31,2659.69 2060.31,2554.31 2045,2539 1949,2539 J10.6@1920,2510 ; v1(2115,1790) 2211.36,1790 2226.86,1805.5 2241,1805.5 2530,2094.5 2530,2138.04 2570.25,2178.29 2588.29,2178.29 2639.31,2229.31 v1(2920,2229.31) ; v1@2399,3174 pad.2@2399,3242 ; v1(2605,2675) 2640.51,2675 2655.51,2660 2688.68,2660 2718.49,2689.81 v1(2746.19,2689.81) 2796.81,2689.81 2796.81,2693.12 v1(2815.69,2712) ; v1@2819,2712 2851,2712 v1(2875,2736) ; v1@2920,2225 v1(2965,2270) ; v1(2985,1370) 2987.33,1370 2997.33,1380 3376.97,1380 J4_U_Encoders2.4@3462.64,1465.67 ; v1(3010,1935) v1(3070,1935) ; v1(3010,1965) v1(3070,1965) ; v1(3010,1995) v1(3065.69,1995) ; v1(3526,3549) 3547,3570 3697.66,3570 3722.15,3545.51 3722.15,3478.81 3730.93,3470.02 3829.04,3470.02 3874.02,3515 ; v1(3585,1755) v1(3555,1755) v1(3555,1780) v1(3585,1780) 3638.35,1726.65 3653.35,1726.65 v1(3655,1725) ; v1@3685,1720 v1(3685,1695) v1(3655,1695) v1(3655,1725) ; v1(3685,1725) v1(3655,1725) ; 4163.66,3206.85 4231.2,3139.31 v1(4269.37,3139.31) ; 4205,2330.39 4205,2280 v1(4275,2210)
  other v1: 1995,1640 1795,3075 2402.75,3164 1040,3565
"LPWM_U_Motor Drivers2": "J5_U_Motor Drivers2.4" pad.2@3935,1712 U4.73 | length 3202.4
  Top Layer w5: 2959.25,3515 2959.25,3069.25 2923.07,3033.07 2919.39,3033.07 2919.39,3032.29 2886.61,2999.52 2876.13,2999.52 U4.73@2845.16,2968.55 2823,2946.39 2823,2920 2855.69,2887.31 2855.69,2642.21 2981.85,2516.05 v1(2981.85,2499) ; v1(3340,1940) 3340,2330 3480,2470 v1(3480,2665)
  Bottom Layer w5: v1(2981.85,2499) 3132.76,2499 3318.76,2685 3460,2685 v1(3480,2665) ; v1(3340,1940) 3707,1940 pad.2@3935,1712
NetC4_2: C4.2 U1.7 Y1.1 | length 861.6
  Top Layer w5: Y1.1@2206.54,1903.31 2196.57,1893.34 2178.34,1893.34 2160,1875 2160,1714.72 C4.2@2195,1679.72 2229.72,1645 2271.71,1645 2284.84,1658.13 2401.71,1775 2623.82,1775 2670.64,1728.19 2670.64,1711.1 U1.7@2680,1701.73
NetC5_2: C5.2 U1.8 Y1.3 | length 630.8
  Top Layer w5: C5.2@2265,1722.64 2326.19,1722.64 2388.55,1785 2660.31,1785 2730,1715.31 U1.8@2730,1701.73 ; C5.2@2273.46,1731.1 Y1.3@2273.46,1816.69
  Top Layer w10: C5.2@2265,1727.64 C5.2@2273.46,1736.1
NetC11_1: C11.1 U4.98 | length 157.3
  Top Layer w5: C11.1@2300.88,2790.88 2315.73,2790.88 U4.98@2416.45,2690.16
NetC12_2: C12.2 R8.2 U4.34 Y2.1 | length 2102.7
  Top Layer w5: R8.2@1865,3176.16 1866.05,3176.16 1908.06,3218.16 2015.8,3218.16 C12.2@2057.64,3260 2057.64,3208.86 Y2.1@2027.24,3178.46 ; Y2.1@2023.31,3178.46 Y2.1@2027.24,3178.46 ; v1(2075,3095.57) 2075,3130.71 Y2.1@2027.24,3178.46 ; v1(2820,2795) 2835,2780 2835,2360 2845,2350 2866.38,2350 2882.87,2366.49 2907.16,2366.49 U4.34@2928.68,2344.96
  Bottom Layer w5: v1(2075,3095.57) 2075,2900 2343.92,2631.08 2530.49,2631.08 2694.42,2795 v1(2820,2795)
NetC13_2: C13.2 R8.1 U4.33 Y2.3 | length 2135.3
  Top Layer w5: C13.2@1904.72,3260 1884.72,3240 1870,3240 v1(1855,3255) 1830,3230 1830,3140 1842.47,3127.53 1853.53,3127.53 1880.46,3100.6 1880.46,3099.54 1890,3090 1908.7,3090 1909.12,3090.41 1915.57,3090.41 Y2.3@1936.69,3111.54 ; v1(2815.69,2670) 2819,2666.69 2819,2356 2835,2340 2870.52,2340 2885.13,2354.61 2891.2,2354.61 U4.33@2914.76,2331.04
  Bottom Layer w5: v1(1855,3255) 1815,3215 1815,3129.14 1815,3127.07 1817.93,3124.14 2118.58,2834.65 2135.75,2817.48 2318.06,2624.01 2320.99,2621.08 2323.06,2621.08 2534.64,2621.08 2543.56,2630 2550,2630 2565,2645 2694.89,2645 2719.89,2670 v1(2815.69,2670)
NetJ3_A5: J3.A5 R4.2 | length 319.9
  Top Layer w10: R4.2@2270,1471.5 2347.6,1471.5 2376.1,1500 2440,1500 2490.79,1550.79 J3.A5@2490.79,1617.01
NetJ3_B5: J3.B5 R5.1 | length 403.5
  Top Layer w10: J3.B5@2608.9,1617.01 2608.9,1476.43 2700.61,1384.72 2789.72,1384.72 2801.3,1396.3 2801.3,1405.79 R5.1@2814.23,1418.72
NetJ10_4: J10.4 pad.2@1350,2134 U4.21 | length 3211.8
  Top Layer w5: J10.4@1920,2610 2011.31,2518.69 2011.31,2110.31 v1(1991,2090) ; v1(2583.5,2234.47) 2583.78,2234.2 2611.9,2234.2 2630.75,2253.04 U4.21@2667,2289.29
  Bottom Layer w5: v1(1991,2090) 1977.69,2076.69 1856.73,2076.69 1839.1,2094.31 1761.49,2094.31 1743.67,2076.5 1407.5,2076.5 pad.2@1350,2134 1270,2054 1270,1847.39 1296.89,1820.5 2234.79,1820.5 2515,2100.71 2515,2149.14 2580.17,2214.31 2580.17,2231.14 v1(2583.5,2234.47)
NetLED1_1: LED1.1 R1.2 | length 996.2
  Top Layer w5: R1.2@2200,1398.84 2252.46,1346.38 2581.23,1346.38 2581.92,1345.69 2880.69,1345.69 2955,1420 2955,1523.5 LED1.1@2895,1583.5
NetLED2_1: LED2.1 R2.2 | length 104
  Top Layer w5: LED2.1@2820,1645 2820.98,1645 2874.54,1698.56 2874.54,1704.44 2888.95,1718.84 R2.2@2890,1718.84
NetLED3_1: LED3.1 R7.2 | length 66.7
  Top Layer w5: LED3.1@2920,2106.5 2980.92,2106.5 R7.2@2985,2110.58
NetR2_1: R2.1 R3.2 U1.2 | length 1413.9
  Top Layer w5: v1(2135,1650) 2139.53,1650 2185.22,1604.31 2230.1,1604.31 2245.79,1620 2280,1620 2326.95,1666.95 2419.1,1666.95 2423.54,1671.39 2423.54,1695.27 U1.2@2430,1701.73 ; v1(2855,1835.69) 2890,1800.69 R2.1@2890,1780
  Bottom Layer w5: v1(2135,1650) 2140.03,1650 2250.53,1760.5 2259.64,1760.5 2483.64,1984.49 2800.51,1984.49 2855,1930 v1(2855,1835.69)
Reset: C10.2 J10.1 R6.1 SW1.3 SW1.4 U4.30 | length 3958.8
  Top Layer w5: J10.1@1820,2710 1859.98,2670.02 1859.98,2464.02 1905.25,2418.75 1905.25,1689.44 v1(1905.69,1689) ; v1(2844.31,2010) 2844.31,2047.83 2880.55,2084.07 2880.55,2198.76 2880.55,2199.86 2895,2214.31 2895,2265.56 2893.06,2267.51 2893.06,2267.95 2889.71,2271.3 2889.71,2272.58 U4.30@2873,2289.29 ; SW1.4@3386.89,2187.83 3391.53,2183.19 3451.64,2183.19 ; v1(3468,1880.69) 3468,2166.83 3451.64,2183.19 ; R6.1@3524.53,2290 3531.3,2283.23 3544.85,2283.23 3623.11,2204.96 SW1.3@3623.11,2187.83 ; C10.2@3707.75,2127.95 3700.68,2127.95 3688.81,2139.82 3688.81,2146.89 3647.87,2187.83 SW1.3@3623.11,2187.83 ; 3451.64,2183.19 3618.47,2183.19 SW1.3@3623.11,2187.83
  Bottom Layer w5: v1(1905.69,1689) 2164.89,1689 2246.39,1770.5 2255.5,1770.5 2495,2010 v1(2844.31,2010) ; v1@2844.31,2011.69 2868.31,2011.69 3035,1845 3432.31,1845 v1(3468,1880.69)
pads on no net: "J1_U_Accelometer and Gyroscope1.6" "J1_U_Accelometer and Gyroscope2.6" J3. J3.A8 J3.B8 U1.4 U1.9 U1.10 U1.11 U1.12 U1.13 U1.14 U1.15 U4.4 U4.8 U4.9 U4.14 U4.27 U4.28 U4.29 U4.47 U4.48 U4.49 U4.65 U4.66 U4.67 U4.68 U4.69 U4.79

## Polygon pours and split planes (outlines as drawn)
no net on Bottom Overlay "NONET_L02_P003" (solid, pour order 3): 4595,3915 4590,3910 4590,1145 2410,1145 2410,3910
GND on Top Layer "GND_L01_P002" (solid, pour order 2): 935,1260.72 935,3705.72 4353.71,3705.72 4353.71,1260.72

## Other copper
Top Layer:
  region net 3P: 3775,2220 3775,2190 3765,2180 3792,2180 3801.66,2170.34 3801.66,2170.16 3803.33,2171.83 3803.33,2191.67
  region net 6P: 3300,2735 3305,2735 3325,2725 3335,2715 3335,2770 3335.5,2770.5
  region net +5V: 2870,1860 2920,1810 2920,1671.5 2895,1646.5 2978.5,1646.5 3090,1535 3090,1875 3039.24,1925.76 2973.49,1860
  region net 2P: 2390.71,2437.51 2364.1,2410.9 2337.49,2437.51
  region net Reset: 3520,2185 3470,2135 3469.78,2135 3421.59,2183.19
  region net +5V: 3090,1388.31 3090,1390 3230,1530 3230,1610 3220,1620 3220,1640 3155,1575 3110,1575 3085,1600
  region net +5V: 2825,1816.48 2781.48,1860 2850,1860 2850,1855 2830,1835
  region net +12V: 1455.58,1945.58 1465,1955 1550,1955 1590,1915 1650,1915 1650,1820 1560,1730 1485,1805 1485,1920
  region net +5V: 2505,2530 2575,2530 2575,2495 2540,2460 2535,2465 2535,2500
  region net +5V: 1191.55,1695 1270,1695 1350,1615 1360,1625 1425,1625 1425,1850 1395,1880 1355,1880 1355,1865 1210,1720 1191.55,1720
  region net +5V: 1944.63,1364.57 1912.5,1332.44 1967.5,1332.44
  region net +5V: 4150,2275 4105,2230 4045,2230 4045,2228.11 4205,2068.11 4205,2230 4145,2290
  region net +5V: 4163.66,2667.01 4157.01,2667.01 4145,2655 4145,2565.67 4184.33,2605 4184.33,2646.34
  region net 22P: 2160,3560 2195,3595 2195,3530
  region net 19P: 3210,2380 3167.5,2422.5 3262.5,2422.5 3288,2448 3292.94,2448 3292.94,2392.94 3210,2310
Bottom Layer:
  region net GND: 3001.15,1997.45 3077.13,1997.45 3077.13,1937.45 3001.15,1937.45
  region net GND: 3640,1800 3700,1740 3700,1685 3690,1675 3650,1675 3590,1735 3560,1735 3540,1755 3540,1790 3550,1800
  region net 8P: 3485.65,2220.65 3525,2260 3446.3,2260
  region net +5V: 2670,2675 2670,2740 2705,2705 2716,2705 2686,2675
  region net +5V: 1065,2535 1065,2470 1115,2470 1145,2500 1140,2505 1140,2550 1080,2550

## Silkscreen, mask and mechanical layers (free items; w line width, h text height)
Top Overlay:
  drawing of 77 lines, arcs and shapes, not listed
  text "DC MOTOR RIGHT" at 3394.98,3622.7 h60
  text "DC MOTOR LEFT" at 2677.15,3621.88 h60
  text "STEPPER MOTOR ALT" at 1241.19,3620.62 h60
  text "STEPPER MOTOR AZ" at 1962.37,3618.94 h60
  text "V1" at 1363.28,3294.25 h60
  text "16 MHz" at 1776.9,2975.84 h80
  text "RADAR SENSOR" at 4056.91,2826.25 h60 r90
  text "+5V" at 1993,2694 h40
  text "Reset" at 1603,2692.01 h40
  text "MPU6050 GIMBAL" at 1052.59,2664.59 h60 r90
  text "Precision in Every Bit" at 3225,2630 h85
  text "SCK" at 1638,2587.01 h40
  text "MOSI" at 1993,2584 h40
  text "Restaurant Robot / Controller V1" at 3240,2495 h80
  text "GND" at 1993,2489 h40
  text "MISO" at 1628,2487.01 h40
  text "SPI" at 1704.51,2369.87 h60
  text "PROGRAMMING / INTERFACE" at 1704.51,2289.27 h45
  text "RADAR SENSOR" at 4057.32,2245.07 h60 r90
  text "ATmega2560 8-bit Microcontroller" at 2745.89,2204.83 h30 r45
  text "RESET" at 3205,2095.87 h60
  text "L" at 2843.18,2070.31 h60
  text "MPU6050 MAIN" at 1052.17,1947.49 h60 r90
  text "12 MHz" at 2032.46,1924.76 h80
  text "RADAR SENSOR" at 4055.53,1687.5 h60 r90
  text "ENCODER RIGHT" at 3626.24,1574.43 h60
  text "ENCODER LEFT" at 3082.01,1571.7 h60
  text "RX" at 2964.64,1556.26 h45 r90
  text "TX" at 2780.45,1555.19 h45 r90
  text "EDR BROS'" at 1052.04,1549.54 h60 r90
  text "DC IN" at 1550.1,1343.62 h60 r90
  text "USB C" at 2728.76,1337.36 h45
  text "12V DC IN" at 1933.34,1329.39 h40 r90
Bottom Overlay:
  drawing of 136 lines, arcs and shapes, not listed
  text "D14" at 3636.39,3345.86 h60
  text "D0" at 3804.17,3346.01 h60
  text "D42" at 1269.51,3273.84 h40
  text "D28" at 1624.51,3264.32 h40
  text "D15" at 3636.13,3211.58 h60
  text "D1" at 3863.91,3150.29 h60
  text "D43" at 1269.51,3149.32 h40
  text "D29" at 1624.51,3149.32 h40
  text "A10" at 2705,3110.72 h60
  text "14" at 2408.99,3109.64 h60
  text "A12" at 2580.97,3109.97 h60
  text "D16" at 3635.94,3101.58 h60
  text "A" at 2458.5,3101.12 h60
  text "D2" at 3803.73,3100.29 h60
  text "A8" at 2840,3090 h60
  text "A6" at 2960,3090 h60
  text "A4" at 3080,3090 h60
  text "A2" at 3200,3085 h60
  text "A0" at 3315,3085 h60
  text "A13" at 2580,3040.72 h60
  text "15" at 2408.92,3039.6 h60
  text "A11" at 2705,3040 h60
  text "A" at 2458.42,3034.77 h60
  text "A9" at 2835,3020 h60
  text "A7" at 2960,3020 h60
  text "A5" at 3085,3020 h60
  text "A3" at 3205,3020 h60
  text "A1" at 3320,3020 h60
  text "D44" at 1269.51,3018.84 h40
  text "D30" at 1629.51,3009.32 h40
  text "D17" at 3635.61,2964.86 h60
  text "D3" at 3803.39,2965.01 h60
  text "D45" at 1264.51,2894.32 h40
  text "D31" at 1624.51,2879.32 h40
  text "D18" at 3635.61,2845.58 h60
  text "D4" at 3803.39,2844.29 h60
  text "Precision in Every Bit" at 2320,2810 h85
  text "D46" at 1269.51,2759.32 h40
  text "D32" at 1634.51,2759.32 h40
  text "D19" at 3635.54,2715.58 h60
  text "D5" at 3803.32,2715.01 h60
  text "D33" at 1644.51,2644.32 h40
  text "D47" at 1259.51,2638.84 h40
  text "D20" at 3635.42,2585.58 h60
  text "D6" at 3803.21,2585.01 h60
  text "D34" at 1634.51,2514.32 h40
  text "D48" at 1264.51,2504.32 h40
  text "D21" at 3631.35,2454.86 h60
  text "D7" at 3799.14,2454.29 h60
  text "D49" at 1269.51,2374.32 h40
  text "D35" at 1625.51,2373.32 h40
  text "D22" at 3635.39,2339.86 h60
  text "D8" at 3803.17,2340.01 h60
  text "Restaurant Robot / Controller V1" at 2381.29,2281.32 h80
  text "D50" at 1269.51,2259.32 h40
  text "D36" at 1634.51,2244.32 h40
  text "D23" at 3635.65,2210.58 h60
  text "D9" at 3803.43,2210.01 h60
  text "D51" at 1269.51,2124.32 h40
  text "D37" at 1624.51,2124.32 h40
  text "D24" at 3636.39,2069.86 h60
  text "D10" at 3804.17,2070.01 h60
  text "D38" at 1629.51,1999.32 h40
  text "D52" at 1269.51,1984.32 h40
  text "D25" at 3636.13,1955.58 h60
  text "D11" at 3803.91,1954.29 h60
  text "D39" at 1634.51,1879.32 h40
  text "D53" at 1274.51,1864.32 h40
  text "MADE IN SRI LANKA" at 2370,1817.83 h80
  text "D26" at 3635.94,1815.58 h60
  text "D12" at 3803.73,1814.29 h60
  text "+5V" at 1274.51,1749.32 h40
  text "D40" at 1629.51,1744.32 h40
  text "BOARD VERSION : 1" at 2365,1712.83 h80
  text "D27" at 3635,1680 h60
  text "D13" at 3803.39,1680.01 h60
  text "GND" at 1279.51,1614.32 h40
  text "D41" at 1619.51,1613.84 h40
  text "WORK OF ENTC" at 2320,1557.83 h80
Drill Guide:
  pour cut-out: 3826.86,3409.29 3720.51,3409.29 3720.51,1644.29 3826.86,1644.29
Mechanical 13:
  the board outline again, w15

## Text inside footprints (layer, text, board x,y; h text height)
J3: Mechanical 13 "PCB EDGE" at 2744.72,1355.2 h35